# Altium PCB host_board.PcbDoc (part 4 of 8)
Units mm, origin at the board's own origin, x right, y up, seen from the top; angles counter-clockwise.
Board outline 87.41 x 55.77 mm, 4 copper layers (Top Layer, GND, Power, Bottom Layer), stack 1.59 mm thick; 232 components, 252 nets, 1101 pads, 689 vias.
Unrouted connection lines stored in the file: 17.
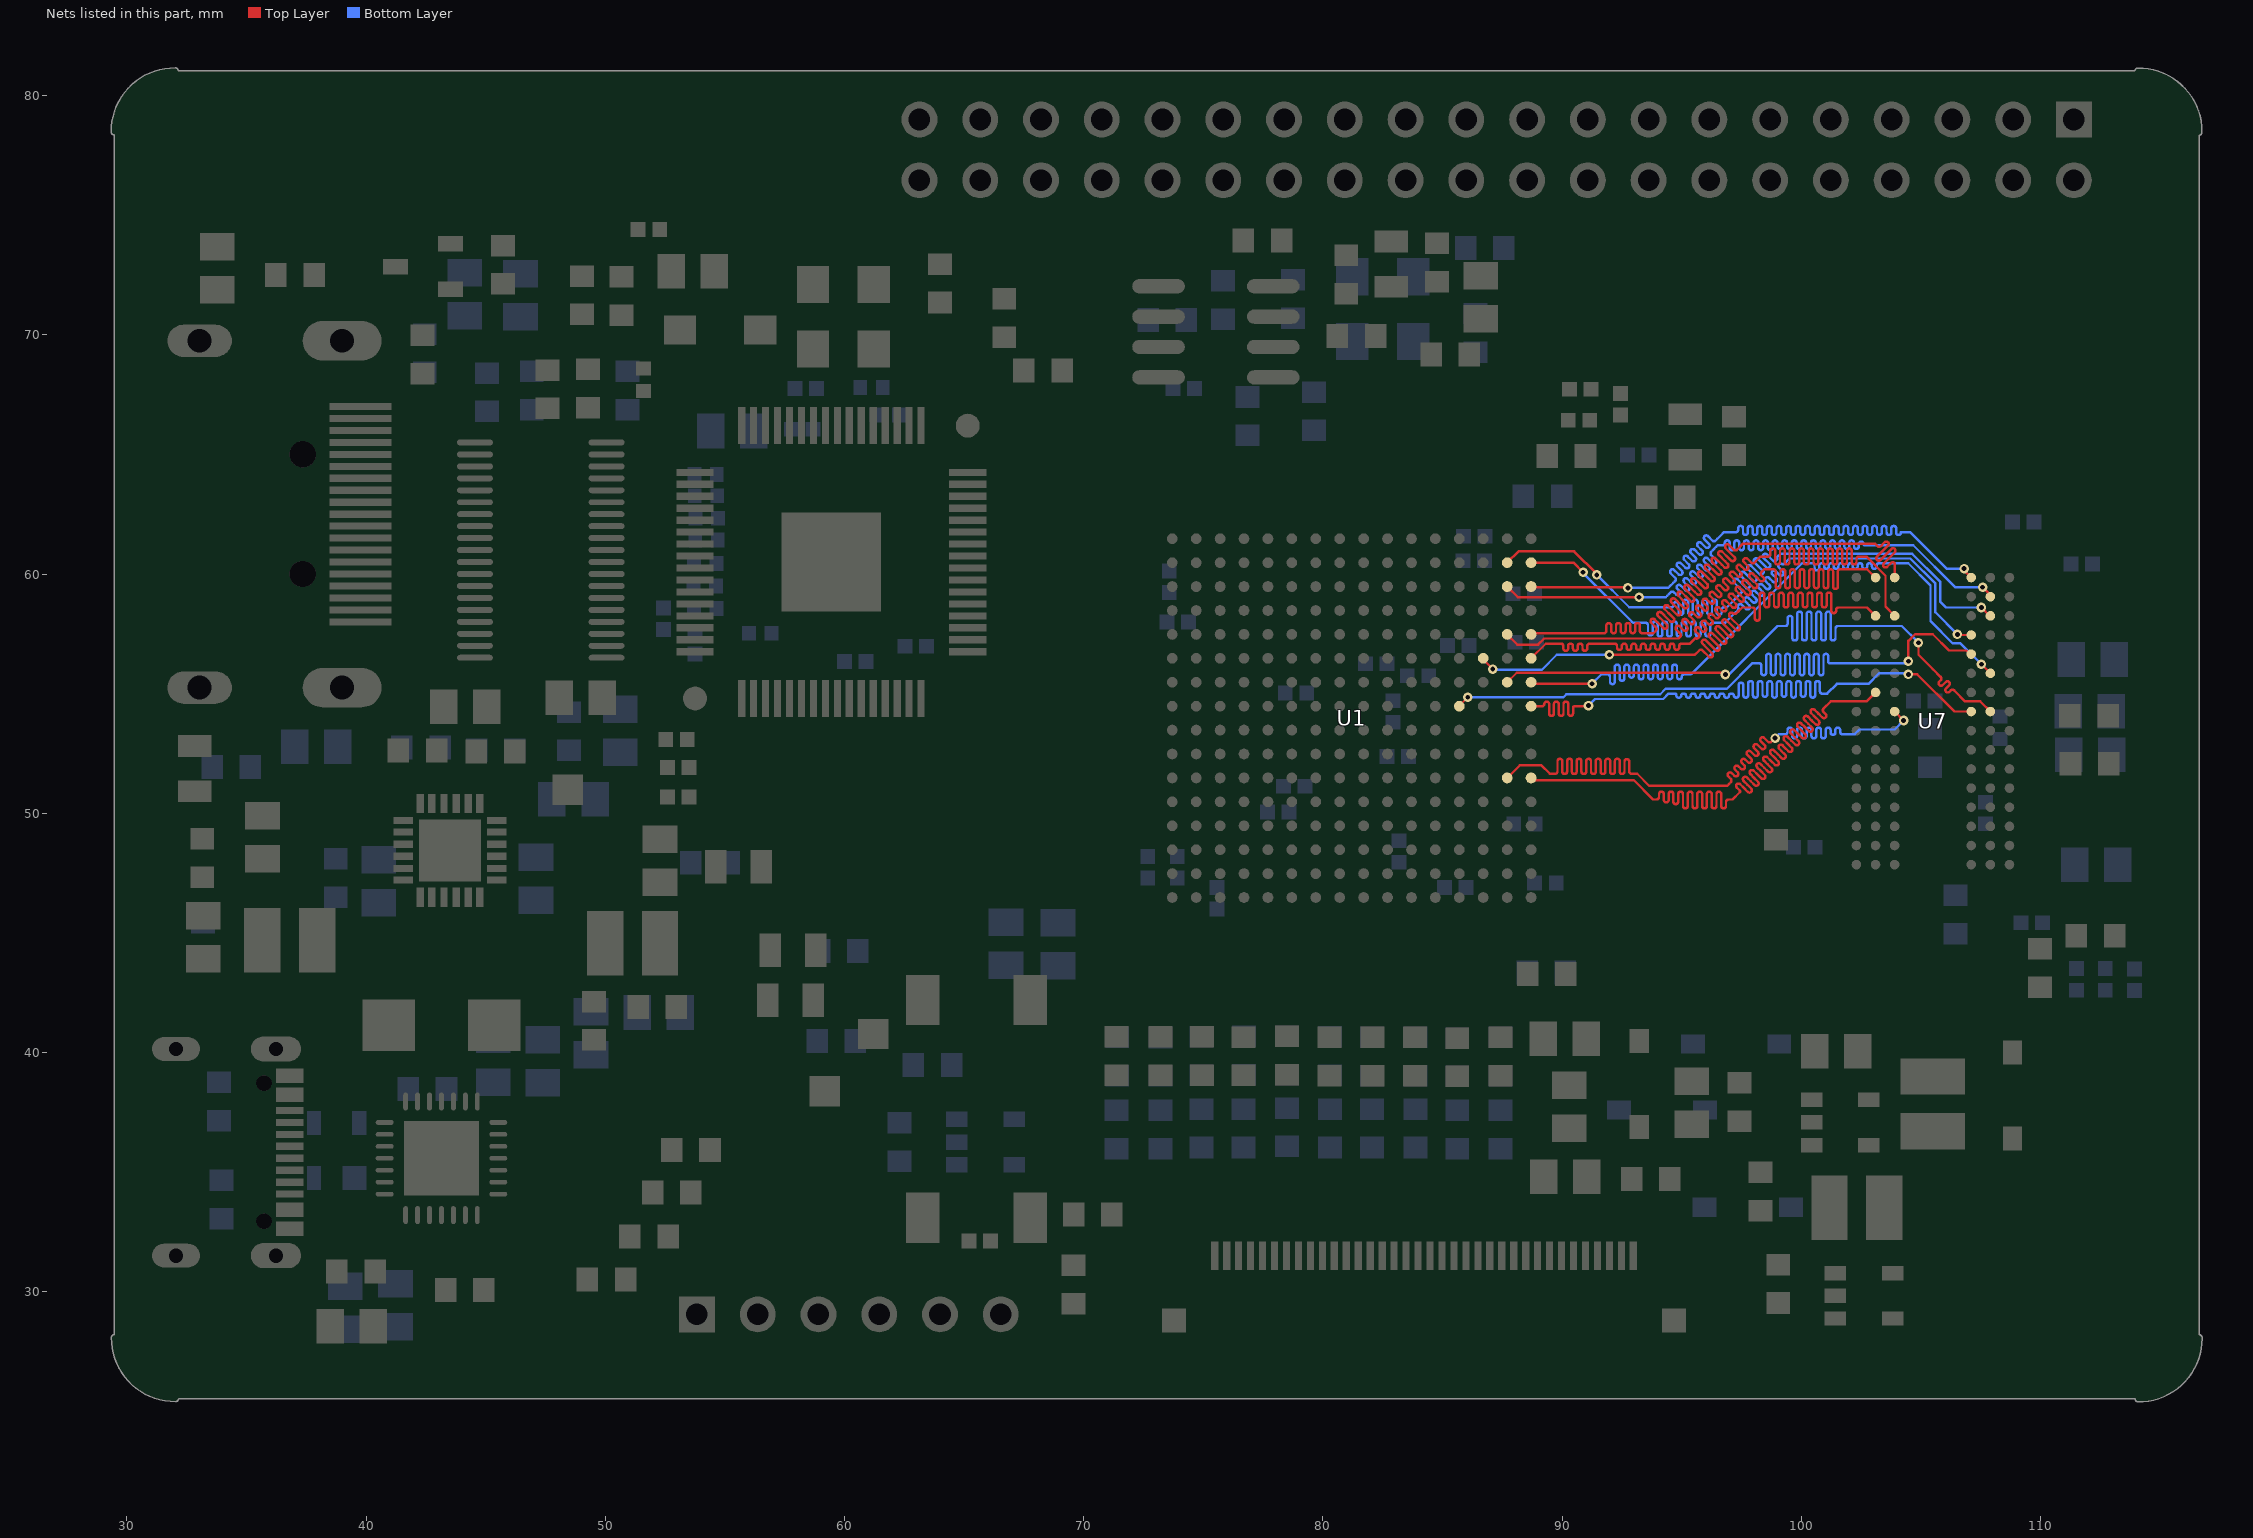
[diagram p6: the nets of this part, all layers, seen from the top]

## Via types
v1: diameter 0.4, hole 0.2, Top Layer to Bottom Layer, tented both sides, 664 vias
v2: diameter 0.5, hole 0.2, Top Layer to Bottom Layer, 9 vias
v3: diameter 0.4, hole 0.2, Top Layer to Bottom Layer, 7 vias
v4: diameter 0.4/0.4/0.4/0.4 (per signal layer), hole 0.2, Top Layer to Bottom Layer, tented both sides, 5 vias
v5: diameter 3, hole 3, Top Layer to Bottom Layer, tented both sides, 4 vias

## Nets (pads, with @x,y where several pads share a name; then routed paths per layer and width w, separated by ;. In a path a pad name is that pad's centre, name@x,y a point inside that pad or via, vN(x,y) a via of type N, cw(c..) or ccw(c..) an arc to the next point about the centre after c; other vN are vias at no path point) (continued)
DDR_D3: U1.K1 U7.F8 | length 34.3
  Top Layer w0.1: U1.K1@88.7,55.475 88.759,55.416 v1(91.25,55.416) ; v1(107.525,56.225) U7.F8@107.9,55.85
  Bottom Layer w0.1: v1(91.25,55.416) 91.636,55.803 91.7,55.803 91.8,55.803 91.9,55.803 cw(c91.9,55.703) 92,55.703 92,55.496 ccw(c92.1,55.496) 92.1,55.396 ccw(c92.1,55.496) 92.2,55.496 92.2,55.803 92.2,56.109 cw(c92.3,56.109) 92.3,56.209 cw(c92.3,56.109) 92.4,56.109 92.4,55.803 92.4,55.636 ccw(c92.5,55.636) 92.5,55.536 ccw(c92.5,55.636) 92.6,55.636 92.6,55.803 92.6,56.109 cw(c92.7,56.109) 92.7,56.209 cw(c92.7,56.109) 92.8,56.109 92.8,55.803 92.8,55.769 ccw(c92.9,55.769) 92.9,55.669 ccw(c92.9,55.769) 93,55.769 93,55.803 93,56.109 cw(c93.1,56.109) 93.1,56.209 cw(c93.1,56.109) 93.2,56.109 93.2,55.803 93.2,55.7 ccw(c93.3,55.7) 93.3,55.6 ccw(c93.3,55.7) 93.4,55.7 93.4,55.803 93.4,56.109 cw(c93.5,56.109) 93.5,56.209 cw(c93.5,56.109) 93.6,56.109 93.6,55.803 93.6,55.7 ccw(c93.7,55.7) 93.7,55.6 ccw(c93.7,55.7) 93.8,55.7 93.8,55.803 93.8,56.109 cw(c93.9,56.109) 93.9,56.209 cw(c93.9,56.109) 94,56.109 94,55.803 94,55.7 ccw(c94.1,55.7) 94.1,55.6 ccw(c94.1,55.7) 94.2,55.7 94.2,55.803 94.2,56.109 cw(c94.3,56.109) 94.3,56.209 cw(c94.3,56.109) 94.4,56.109 94.4,55.803 94.4,55.7 ccw(c94.5,55.7) 94.5,55.6 ccw(c94.5,55.7) 94.6,55.7 94.6,55.803 94.6,56.109 cw(c94.7,56.109) 94.7,56.209 cw(c94.7,56.109) 94.8,56.109 94.8,55.803 94.8,55.7 ccw(c94.9,55.7) 94.9,55.6 ccw(c94.9,55.7) 95,55.7 95,55.703 cw(c95.1,55.703) 95.1,55.803 95.2,55.803 95.378,55.803 95.4,55.825 100.025,60.45 100.25,60.45 100.35,60.45 100.45,60.45 cw(c100.45,60.35) 100.55,60.35 100.55,60.251 ccw(c100.65,60.251) 100.65,60.151 ccw(c100.65,60.251) 100.75,60.251 100.75,60.35 cw(c100.85,60.35) 100.85,60.45 cw(c100.85,60.35) 100.95,60.35 100.95,60.314 ccw(c101.05,60.314) 101.05,60.214 ccw(c101.05,60.314) 101.15,60.314 101.15,60.35 cw(c101.25,60.35) 101.25,60.45 cw(c101.25,60.35) 101.35,60.35 101.35,60.314 ccw(c101.45,60.314) 101.45,60.214 ccw(c101.45,60.314) 101.55,60.314 101.55,60.35 cw(c101.65,60.35) 101.65,60.45 cw(c101.65,60.35) 101.75,60.35 101.75,60.314 ccw(c101.85,60.314) 101.85,60.214 ccw(c101.85,60.314) 101.95,60.314 101.95,60.35 cw(c102.05,60.35) 102.05,60.45 cw(c102.05,60.35) 102.15,60.35 102.15,60.314 ccw(c102.25,60.314) 102.25,60.214 ccw(c102.25,60.314) 102.35,60.314 102.35,60.35 cw(c102.45,60.35) 102.45,60.45 cw(c102.45,60.35) 102.55,60.35 102.55,60.314 ccw(c102.65,60.314) 102.65,60.214 ccw(c102.65,60.314) 102.75,60.314 102.75,60.35 cw(c102.85,60.35) 102.85,60.45 cw(c102.85,60.35) 102.95,60.35 102.95,60.314 ccw(c103.05,60.314) 103.05,60.214 ccw(c103.05,60.314) 103.15,60.314 103.15,60.35 cw(c103.25,60.35) 103.25,60.45 104.225,60.45 104.466,60.45 105.4,59.516 105.4,58.03 106.33,57.1 106.65,57.1 v1(107.525,56.225)
DDR_D4: U1.F2 U7.H3 | length 34.9
  Top Layer w0.1: U1.F2@87.7,51.475 87.725,51.475 87.725,51.5 88.225,52 89.138,52 89.488,51.65 89.655,51.65 89.705,51.65 ccw(c89.705,51.75) 89.805,51.75 89.805,52.175 cw(c89.905,52.175) 90.005,52.175 90.005,51.739 ccw(c90.105,51.739) 90.205,51.739 90.205,52.175 cw(c90.305,52.175) 90.405,52.175 90.405,51.739 ccw(c90.505,51.739) 90.605,51.739 90.605,52.175 cw(c90.705,52.175) 90.805,52.175 90.805,51.739 ccw(c90.905,51.739) 91.005,51.739 91.005,52.175 cw(c91.105,52.175) 91.205,52.175 91.205,51.739 ccw(c91.305,51.739) 91.405,51.739 91.405,52.175 cw(c91.505,52.175) 91.605,52.175 91.605,51.739 ccw(c91.705,51.739) 91.805,51.739 91.805,52.175 cw(c91.905,52.175) 92.005,52.175 92.005,51.739 ccw(c92.105,51.739) 92.205,51.739 92.205,52.175 cw(c92.305,52.175) 92.405,52.175 92.405,51.739 ccw(c92.505,51.739) 92.605,51.739 92.605,52.162 cw(c92.705,52.162) 92.805,52.162 92.805,51.75 ccw(c92.905,51.75) 92.905,51.65 93.1,51.65 93.135,51.65 93.635,51.15 96.513,51.15 96.613,51.15 96.813,51.15 96.908,51.15 96.979,51.221 97.049,51.291 ccw(c96.979,51.362) 97.049,51.433 96.947,51.535 cw(c97.018,51.605) 96.947,51.676 cw(c97.018,51.605) 97.089,51.676 97.191,51.574 ccw(c97.261,51.645) 97.332,51.574 ccw(c97.261,51.645) 97.332,51.716 97.23,51.818 cw(c97.301,51.888) 97.23,51.959 cw(c97.301,51.888) 97.372,51.959 97.474,51.857 ccw(c97.544,51.928) 97.615,51.857 ccw(c97.544,51.928) 97.615,51.999 97.513,52.1 cw(c97.584,52.171) 97.513,52.242 cw(c97.584,52.171) 97.655,52.242 97.756,52.14 ccw(c97.827,52.211) 97.898,52.14 ccw(c97.827,52.211) 97.898,52.281 97.742,52.437 cw(c97.813,52.507) 97.742,52.578 cw(c97.813,52.507) 97.884,52.578 98.039,52.423 ccw(c98.11,52.493) 98.181,52.423 ccw(c98.11,52.493) 98.181,52.564 98.025,52.72 cw(c98.096,52.79) 98.025,52.861 cw(c98.096,52.79) 98.167,52.861 98.322,52.706 ccw(c98.393,52.776) 98.463,52.706 ccw(c98.393,52.776) 98.463,52.847 98.308,53.002 cw(c98.379,53.073) 98.308,53.144 cw(c98.379,53.073) 98.45,53.144 98.605,52.988 ccw(c98.676,53.059) 98.746,52.988 98.767,53.009 v1(98.9,53.142) ; U7.H3@103.9,54.25 v1(104.275,53.875)
  Bottom Layer w0.1: v1(98.9,53.142) 99.058,53.3 99.27,53.3 99.32,53.3 ccw(c99.32,53.4) 99.42,53.4 99.42,53.478 cw(c99.52,53.478) 99.62,53.478 99.62,53.228 ccw(c99.72,53.228) 99.82,53.228 99.82,53.478 cw(c99.92,53.478) 100.02,53.478 100.02,53.228 ccw(c100.12,53.228) 100.22,53.228 100.22,53.478 cw(c100.32,53.478) 100.42,53.478 100.42,53.228 ccw(c100.52,53.228) 100.62,53.228 100.62,53.478 cw(c100.72,53.478) 100.82,53.478 100.82,53.228 ccw(c100.92,53.228) 101.02,53.228 101.02,53.478 cw(c101.12,53.478) 101.22,53.478 101.22,53.378 ccw(c101.32,53.378) 101.42,53.378 101.42,53.478 cw(c101.52,53.478) 101.62,53.478 101.62,53.4 ccw(c101.72,53.4) 101.72,53.3 101.945,53.3 102.225,53.3 102.425,53.5 103.9,53.5 v1(104.275,53.875)
DDR_D5: U1.K2 U7.H8 | length 34.8
  Top Layer w0.1: U1.K2@87.7,55.475 88.1,55.875 96.669,55.875 96.744,55.8 v1(96.825,55.8) ; v1(104.894,57.13) 104.894,56.626 105.495,56.025 105.525,55.995 105.822,55.698 cw(c105.751,55.627) 105.822,55.556 105.766,55.501 ccw(c105.837,55.43) 105.766,55.359 ccw(c105.837,55.43) 105.908,55.359 106.034,55.486 cw(c106.105,55.415) 106.176,55.486 cw(c106.105,55.415) 106.176,55.345 106.049,55.218 ccw(c106.12,55.147) 106.049,55.076 ccw(c106.12,55.147) 106.191,55.076 106.246,55.132 cw(c106.317,55.061) 106.388,55.132 106.423,55.097 106.845,54.675 107.475,54.675 U7.H8@107.9,54.25
  Bottom Layer w0.1: v1(96.825,55.8) 96.975,55.8 99,57.825 99.3,57.825 99.325,57.825 ccw(c99.325,57.925) 99.425,57.925 99.425,58.148 cw(c99.525,58.148) 99.525,58.248 cw(c99.525,58.148) 99.625,58.148 99.625,57.825 99.625,57.318 ccw(c99.725,57.318) 99.725,57.218 ccw(c99.725,57.318) 99.825,57.318 99.825,57.825 99.825,58.332 cw(c99.925,58.332) 99.925,58.432 cw(c99.925,58.332) 100.025,58.332 100.025,57.825 100.025,57.318 ccw(c100.125,57.318) 100.125,57.218 ccw(c100.125,57.318) 100.225,57.318 100.225,57.825 100.225,58.332 cw(c100.325,58.332) 100.325,58.432 cw(c100.325,58.332) 100.425,58.332 100.425,57.825 100.425,57.318 ccw(c100.525,57.318) 100.525,57.218 ccw(c100.525,57.318) 100.625,57.318 100.625,57.825 100.625,58.332 cw(c100.725,58.332) 100.725,58.432 cw(c100.725,58.332) 100.825,58.332 100.825,57.825 100.825,57.318 ccw(c100.925,57.318) 100.925,57.218 ccw(c100.925,57.318) 101.025,57.318 101.025,57.825 101.025,58.332 cw(c101.125,58.332) 101.125,58.432 cw(c101.125,58.332) 101.225,58.332 101.225,57.825 101.225,57.318 ccw(c101.325,57.318) 101.325,57.218 ccw(c101.325,57.318) 101.425,57.318 101.425,57.725 cw(c101.525,57.725) 101.525,57.825 104.199,57.825 v1(104.894,57.13)
DDR_D6: U1.F1 U7.G2 | length 37.6
  Top Layer w0.1: U1.F1@88.7,51.475 88.8,51.375 92.999,51.375 93.799,50.575 93.95,50.575 ccw(c93.95,50.675) 94.05,50.675 94.05,50.8 cw(c94.15,50.8) 94.15,50.9 cw(c94.15,50.8) 94.25,50.8 94.25,50.575 94.25,50.55 ccw(c94.35,50.55) 94.35,50.45 ccw(c94.35,50.55) 94.45,50.55 94.45,50.575 94.45,50.8 cw(c94.55,50.8) 94.55,50.9 cw(c94.55,50.8) 94.65,50.8 94.65,50.575 94.65,50.48 ccw(c94.75,50.48) 94.75,50.38 ccw(c94.75,50.48) 94.85,50.48 94.85,50.575 94.85,50.8 cw(c94.95,50.8) 94.95,50.9 cw(c94.95,50.8) 95.05,50.8 95.05,50.575 95.05,50.3 ccw(c95.15,50.3) 95.15,50.2 ccw(c95.15,50.3) 95.25,50.3 95.25,50.575 95.25,50.8 cw(c95.35,50.8) 95.35,50.9 cw(c95.35,50.8) 95.45,50.8 95.45,50.575 95.45,50.3 ccw(c95.55,50.3) 95.55,50.2 ccw(c95.55,50.3) 95.65,50.3 95.65,50.575 95.65,50.8 cw(c95.75,50.8) 95.75,50.9 cw(c95.75,50.8) 95.85,50.8 95.85,50.575 95.85,50.3 ccw(c95.95,50.3) 95.95,50.2 ccw(c95.95,50.3) 96.05,50.3 96.05,50.575 96.05,50.8 cw(c96.15,50.8) 96.15,50.9 cw(c96.15,50.8) 96.25,50.8 96.25,50.575 96.25,50.3 ccw(c96.35,50.3) 96.35,50.2 ccw(c96.35,50.3) 96.45,50.3 96.45,50.575 96.45,50.8 cw(c96.55,50.8) 96.55,50.9 cw(c96.55,50.8) 96.65,50.8 96.65,50.575 96.65,50.3 ccw(c96.75,50.3) 96.75,50.2 ccw(c96.75,50.3) 96.85,50.3 96.85,50.475 cw(c96.95,50.475) 96.95,50.575 97.125,50.575 97.425,50.875 ccw(c97.39,50.91) 97.425,50.945 97.301,51.069 cw(c97.372,51.14) 97.301,51.211 cw(c97.372,51.14) 97.443,51.211 97.602,51.052 97.761,50.893 ccw(c97.831,50.963) 97.902,50.893 ccw(c97.831,50.963) 97.902,51.034 97.743,51.193 97.584,51.352 cw(c97.655,51.423) 97.584,51.494 cw(c97.655,51.423) 97.725,51.494 97.884,51.334 98.044,51.175 ccw(c98.114,51.246) 98.185,51.175 ccw(c98.114,51.246) 98.185,51.317 98.026,51.476 97.867,51.635 cw(c97.937,51.706) 97.867,51.776 cw(c97.937,51.706) 98.008,51.776 98.167,51.617 98.326,51.458 ccw(c98.397,51.529) 98.468,51.458 ccw(c98.397,51.529) 98.468,51.6 98.309,51.759 98.15,51.918 cw(c98.22,51.989) 98.15,52.059 cw(c98.22,51.989) 98.291,52.059 98.45,51.9 98.609,51.741 ccw(c98.68,51.812) 98.751,51.741 ccw(c98.68,51.812) 98.751,51.882 98.592,52.042 98.432,52.201 cw(c98.503,52.271) 98.432,52.342 cw(c98.503,52.271) 98.574,52.342 98.733,52.183 98.892,52.024 ccw(c98.963,52.095) 99.033,52.024 ccw(c98.963,52.095) 99.033,52.165 98.874,52.324 98.715,52.483 cw(c98.786,52.554) 98.715,52.625 cw(c98.786,52.554) 98.857,52.625 99.016,52.466 99.175,52.307 ccw(c99.246,52.377) 99.316,52.307 ccw(c99.246,52.377) 99.316,52.448 99.157,52.607 99.072,52.693 cw(c99.143,52.763) 99.072,52.834 cw(c99.143,52.763) 99.213,52.834 99.299,52.749 99.458,52.59 ccw(c99.528,52.66) 99.599,52.59 ccw(c99.528,52.66) 99.599,52.731 99.44,52.89 99.281,53.049 cw(c99.352,53.12) 99.281,53.191 cw(c99.352,53.12) 99.422,53.191 99.582,53.031 99.741,52.872 ccw(c99.811,52.943) 99.882,52.872 ccw(c99.811,52.943) 99.882,53.014 99.723,53.173 99.564,53.332 cw(c99.635,53.403) 99.564,53.473 cw(c99.635,53.403) 99.705,53.473 99.864,53.314 100.023,53.155 ccw(c100.094,53.226) 100.165,53.155 ccw(c100.094,53.226) 100.165,53.297 100.006,53.456 99.847,53.615 cw(c99.917,53.686) 99.847,53.756 cw(c99.917,53.686) 99.988,53.756 100.147,53.597 100.306,53.438 ccw(c100.377,53.509) 100.448,53.438 ccw(c100.377,53.509) 100.448,53.58 100.289,53.739 100.13,53.898 cw(c100.2,53.968) 100.13,54.039 cw(c100.2,53.968) 100.271,54.039 100.43,53.88 100.589,53.721 ccw(c100.66,53.792) 100.731,53.721 ccw(c100.66,53.792) 100.731,53.862 100.571,54.021 100.412,54.181 cw(c100.483,54.251) 100.412,54.322 cw(c100.483,54.251) 100.554,54.322 100.713,54.163 100.872,54.004 ccw(c100.943,54.074) 101.013,54.004 ccw(c100.943,54.074) 101.013,54.145 100.925,54.234 cw(c100.996,54.304) 100.925,54.375 101.225,54.675 102.725,54.675 103.05,55 103.1,55 U7.G2@103.1,55.05
DDR_D7: U1.J1 U7.H7 | length 34.3
  Top Layer w0.1: U1.J1@88.7,54.475 89.155,54.475 89.164,54.475 ccw(c89.164,54.566) 89.255,54.566 cw(c89.355,54.566) 89.355,54.666 cw(c89.355,54.566) 89.455,54.566 89.455,54.475 89.455,54.168 ccw(c89.555,54.168) 89.555,54.068 ccw(c89.555,54.168) 89.655,54.168 89.655,54.475 89.655,54.566 cw(c89.755,54.566) 89.755,54.666 cw(c89.755,54.566) 89.855,54.566 89.855,54.475 89.855,54.168 ccw(c89.955,54.168) 89.955,54.068 ccw(c89.955,54.168) 90.055,54.168 90.055,54.475 90.055,54.566 cw(c90.155,54.566) 90.155,54.666 cw(c90.155,54.566) 90.255,54.566 90.255,54.475 90.255,54.168 ccw(c90.355,54.168) 90.355,54.068 ccw(c90.355,54.168) 90.455,54.168 90.455,54.405 cw(c90.525,54.405) 90.525,54.475 v1@91.125,54.475 ; v1(104.475,55.803) 104.847,55.803 106.4,54.25 U7.H7@107.1,54.25
  Bottom Layer w0.1: v1(91.1,54.5) 91.375,54.775 94.225,54.775 94.45,55 94.725,55 cw(c94.725,54.95) 94.775,54.95 94.775,54.925 ccw(c94.875,54.925) 94.875,54.825 ccw(c94.875,54.925) 94.975,54.925 cw(c95.05,54.925) 95.05,55 95.1,55 cw(c95.1,54.925) 95.175,54.925 ccw(c95.275,54.925) 95.275,54.825 ccw(c95.275,54.925) 95.375,54.925 cw(c95.45,54.925) 95.45,55 95.5,55 cw(c95.5,54.925) 95.575,54.925 ccw(c95.675,54.925) 95.675,54.825 ccw(c95.675,54.925) 95.775,54.925 cw(c95.85,54.925) 95.85,55 95.9,55 cw(c95.9,54.925) 95.975,54.925 ccw(c96.075,54.925) 96.075,54.825 ccw(c96.075,54.925) 96.175,54.925 cw(c96.25,54.925) 96.25,55 96.3,55 cw(c96.3,54.925) 96.375,54.925 ccw(c96.475,54.925) 96.475,54.825 ccw(c96.475,54.925) 96.575,54.925 cw(c96.65,54.925) 96.65,55 96.7,55 cw(c96.7,54.925) 96.775,54.925 ccw(c96.875,54.925) 96.875,54.825 ccw(c96.875,54.925) 96.975,54.925 cw(c97.05,54.925) 97.05,55 97.1,55 cw(c97.1,54.925) 97.175,54.925 ; 97.175,54.927 97.175,54.931 ; 97.175,54.933 ccw(c97.275,54.933) 97.275,54.833 ccw(c97.275,54.933) 97.375,54.933 97.375,55 97.375,55.355 cw(c97.475,55.355) 97.475,55.455 cw(c97.475,55.355) 97.575,55.355 97.575,55 97.575,54.933 ccw(c97.675,54.933) 97.675,54.833 ccw(c97.675,54.933) 97.775,54.933 97.775,55 97.775,55.422 cw(c97.875,55.422) 97.875,55.522 cw(c97.875,55.422) 97.975,55.422 97.975,55 97.975,54.933 ccw(c98.075,54.933) 98.075,54.833 ccw(c98.075,54.933) 98.175,54.933 98.175,55 98.175,55.422 cw(c98.275,55.422) 98.275,55.522 cw(c98.275,55.422) 98.375,55.422 98.375,55 98.375,54.969 ccw(c98.475,54.969) 98.475,54.869 ccw(c98.475,54.969) 98.575,54.969 98.575,55 98.575,55.422 cw(c98.675,55.422) 98.675,55.522 cw(c98.675,55.422) 98.775,55.422 98.775,55 98.775,54.933 ccw(c98.875,54.933) 98.875,54.833 ccw(c98.875,54.933) 98.975,54.933 98.975,55 98.975,55.422 cw(c99.075,55.422) 99.075,55.522 cw(c99.075,55.422) 99.175,55.422 99.175,55 99.175,54.969 ccw(c99.275,54.969) 99.275,54.869 ccw(c99.275,54.969) 99.375,54.969 99.375,55 99.375,55.422 cw(c99.475,55.422) 99.475,55.522 cw(c99.475,55.422) 99.575,55.422 99.575,55 99.575,54.933 ccw(c99.675,54.933) 99.675,54.833 ccw(c99.675,54.933) 99.775,54.933 99.775,55 99.775,55.422 cw(c99.875,55.422) 99.875,55.522 cw(c99.875,55.422) 99.975,55.422 99.975,55 99.975,54.969 ccw(c100.075,54.969) 100.075,54.869 ccw(c100.075,54.969) 100.175,54.969 100.175,55 100.175,55.422 cw(c100.275,55.422) 100.275,55.522 cw(c100.275,55.422) 100.375,55.422 100.375,55 100.375,54.933 ccw(c100.475,54.933) 100.475,54.833 ccw(c100.475,54.933) 100.575,54.933 100.575,55 100.575,55.422 cw(c100.675,55.422) 100.675,55.522 cw(c100.675,55.422) 100.775,55.422 100.775,55.1 ccw(c100.875,55.1) 100.875,55 100.975,55 101.075,55 101.484,55.409 102.809,55.409 103.25,55.85 104.428,55.85 v1(104.475,55.803)
DDR_D8: U1.R1 U7.D7 | length 34.2
  Top Layer w0.1: U1.R1@88.7,60.475 90.475,60.475 v1(90.875,60.075) ; v1@106.548,57.45 U7.D7@107.1,57.45
  Bottom Layer w0.1: v1(90.875,60.075) 90.875,60.044 92.917,58.002 92.959,57.96 93.488,57.96 cw(c93.488,57.86) 93.588,57.86 93.588,57.533 ccw(c93.688,57.533) 93.788,57.533 93.788,57.916 cw(c93.888,57.916) 93.988,57.916 93.988,57.485 ccw(c94.088,57.485) 94.188,57.485 94.188,57.916 cw(c94.288,57.916) 94.388,57.916 94.388,57.485 ccw(c94.488,57.485) 94.588,57.485 94.588,57.916 cw(c94.688,57.916) 94.788,57.916 94.788,57.485 ccw(c94.888,57.485) 94.988,57.485 94.988,57.916 cw(c95.088,57.916) 95.188,57.916 95.188,57.485 ccw(c95.288,57.485) 95.388,57.485 95.388,57.916 cw(c95.488,57.916) 95.588,57.916 95.588,57.485 ccw(c95.688,57.485) 95.788,57.485 95.788,57.916 cw(c95.888,57.916) 95.988,57.916 95.988,57.485 ccw(c96.088,57.485) 96.188,57.485 96.188,57.86 cw(c96.288,57.86) 96.288,57.96 96.338,57.96 96.81,57.96 97.237,58.387 97.254,58.404 97.362,58.512 ccw(c97.33,58.545) 97.362,58.578 ; 97.363,58.577 97.368,58.572 ; 97.369,58.571 cw(c97.439,58.642) 97.369,58.713 cw(c97.439,58.642) 97.51,58.713 97.537,58.687 97.676,58.547 ccw(c97.747,58.618) 97.817,58.547 ccw(c97.747,58.618) 97.817,58.688 97.678,58.828 97.652,58.854 cw(c97.722,58.925) 97.652,58.996 cw(c97.722,58.925) 97.793,58.996 97.819,58.969 97.959,58.83 ccw(c98.03,58.901) 98.1,58.83 ccw(c98.03,58.901) 98.1,58.971 97.961,59.111 97.942,59.129 cw(c98.013,59.2) 97.942,59.271 cw(c98.013,59.2) 98.084,59.271 98.102,59.252 98.242,59.113 ccw(c98.312,59.183) 98.383,59.113 ccw(c98.312,59.183) 98.383,59.254 98.244,59.394 98.225,59.412 cw(c98.296,59.483) 98.225,59.554 cw(c98.296,59.483) 98.366,59.554 98.385,59.535 98.525,59.395 ccw(c98.595,59.466) 98.666,59.395 ccw(c98.595,59.466) 98.666,59.537 98.526,59.676 98.508,59.695 cw(c98.579,59.766) 98.508,59.836 cw(c98.579,59.766) 98.649,59.836 98.668,59.818 98.807,59.678 ccw(c98.878,59.749) 98.949,59.678 ccw(c98.878,59.749) 98.949,59.82 98.809,59.959 98.791,59.978 cw(c98.861,60.049) 98.791,60.119 cw(c98.861,60.049) 98.932,60.119 98.951,60.101 99.09,59.961 ccw(c99.161,60.032) 99.232,59.961 ccw(c99.161,60.032) 99.232,60.103 99.092,60.242 99.067,60.267 cw(c99.138,60.338) 99.067,60.408 cw(c99.138,60.338) 99.209,60.408 ccw(c99.234,60.433) 99.258,60.408 99.375,60.525 99.446,60.596 99.5,60.65 104.549,60.65 105.6,59.599 105.6,58.398 v1(106.523,57.475)
DDR_D9: U1.M2 U7.C3 | length 37.7
  Top Layer w0.1: U1.M2@87.7,57.475 88.125,57.05 88.992,57.05 89.23,57.288 94.851,57.305 94.87,57.305 94.932,57.368 ccw(c94.862,57.438) 94.932,57.509 94.773,57.668 cw(c94.844,57.739) 94.773,57.809 cw(c94.844,57.739) 94.915,57.809 95.074,57.65 ccw(c95.145,57.721) 95.215,57.65 ccw(c95.145,57.721) 95.215,57.792 95.056,57.951 cw(c95.127,58.022) 95.056,58.092 cw(c95.127,58.022) 95.198,58.092 95.357,57.933 ccw(c95.427,58.004) 95.498,57.933 ccw(c95.427,58.004) 95.498,58.075 95.339,58.234 cw(c95.41,58.304) 95.339,58.375 cw(c95.41,58.304) 95.481,58.375 95.64,58.216 ccw(c95.71,58.287) 95.781,58.216 ccw(c95.71,58.287) 95.781,58.357 95.622,58.517 cw(c95.693,58.587) 95.622,58.658 cw(c95.693,58.587) 95.763,58.658 95.922,58.499 ccw(c95.993,58.57) 96.064,58.499 ccw(c95.993,58.57) 96.064,58.64 95.905,58.799 cw(c95.975,58.87) 95.905,58.941 cw(c95.975,58.87) 96.046,58.941 96.205,58.782 ccw(c96.276,58.852) 96.347,58.782 ccw(c96.276,58.852) 96.347,58.923 96.188,59.082 cw(c96.258,59.153) 96.188,59.224 cw(c96.258,59.153) 96.329,59.224 96.488,59.065 ccw(c96.559,59.135) 96.63,59.065 ccw(c96.559,59.135) 96.63,59.206 96.47,59.365 cw(c96.541,59.436) 96.47,59.506 cw(c96.541,59.436) 96.612,59.506 96.771,59.347 ccw(c96.842,59.418) 96.912,59.347 ccw(c96.842,59.418) 96.912,59.489 96.753,59.648 cw(c96.824,59.719) 96.753,59.789 cw(c96.824,59.719) 96.895,59.789 97.054,59.63 ccw(c97.125,59.701) 97.195,59.63 ccw(c97.125,59.701) 97.195,59.772 97.036,59.931 cw(c97.107,60.001) 97.036,60.072 cw(c97.107,60.001) 97.178,60.072 97.337,59.913 ccw(c97.407,59.984) 97.478,59.913 ccw(c97.407,59.984) 97.478,60.055 97.319,60.214 cw(c97.39,60.284) 97.319,60.355 cw(c97.39,60.284) 97.46,60.355 97.619,60.196 ccw(c97.69,60.267) 97.761,60.196 ccw(c97.69,60.267) 97.761,60.337 97.602,60.496 cw(c97.673,60.567) 97.602,60.638 cw(c97.673,60.567) 97.743,60.638 97.902,60.479 ccw(c97.973,60.549) 98.044,60.479 98.095,60.53 98.29,60.725 98.555,60.725 98.605,60.725 ccw(c98.605,60.825) 98.705,60.825 98.705,60.971 cw(c98.805,60.971) 98.905,60.971 98.905,60.496 ccw(c99.005,60.496) 99.105,60.496 99.105,60.971 cw(c99.205,60.971) 99.305,60.971 99.305,60.496 ccw(c99.405,60.496) 99.505,60.496 99.505,60.971 cw(c99.605,60.971) 99.705,60.971 99.705,60.496 ccw(c99.805,60.496) 99.905,60.496 99.905,60.971 cw(c100.005,60.971) 100.105,60.971 100.105,60.496 ccw(c100.205,60.496) 100.305,60.496 100.305,60.971 cw(c100.405,60.971) 100.505,60.971 100.505,60.496 ccw(c100.605,60.496) 100.705,60.496 100.705,60.971 cw(c100.805,60.971) 100.905,60.971 100.905,60.496 ccw(c101.005,60.496) 101.105,60.496 101.105,60.971 cw(c101.205,60.971) 101.305,60.971 101.305,60.496 ccw(c101.405,60.496) 101.505,60.496 101.505,60.971 cw(c101.605,60.971) 101.705,60.971 101.705,60.5 ccw(c101.805,60.5) 101.905,60.5 101.905,60.971 cw(c102.005,60.971) 102.105,60.971 102.105,60.5 ccw(c102.205,60.5) 102.305,60.5 102.305,60.625 cw(c102.405,60.625) 102.405,60.725 102.66,60.725 102.72,60.725 103.515,59.93 103.515,58.635 103.85,58.3 103.9,58.3 U7.C3@103.9,58.25